# Allegro board S071AA-0413-20260427_Power.brd (continued)
## Footprints (pads in the part's own frame, mm; a bottom-side part is the same pattern mirrored in y, then rotated) (continued)
PG_VG93K_F_G8D228
  round 1.778 hole 0.711: 01(20.32,1.27) 02(17.78,-1.27) 03(15.24,1.27) 04(12.7,-1.27) 05(10.16,1.27) 06(7.62,-1.27) 07(5.08,1.27) 08(2.54,-1.27) 09(0,1.27) 10(-2.54,-1.27) 11(-5.08,1.27) 12(-7.62,-1.27) 13(-10.16,1.27) 14(-12.7,-1.27) 15(-15.24,1.27) 16(-17.78,-1.27) 17(-20.32,1.27)
  rect 1.778x1.778 hole 0.711: A1(20.32,3.81) A2(17.78,1.27) A3(15.24,3.81) A4(12.7,1.27) A5(10.16,3.81) A6(7.62,1.27) A7(5.08,3.81) A8(2.54,1.27) A9(0,3.81) A10(-2.54,1.27) A11(-5.08,3.81) A12(-7.62,1.27) A13(-10.16,3.81) A14(-12.7,1.27) A15(-15.24,3.81) A16(-17.78,1.27) A17(-20.32,3.81) B1(20.32,-1.27) B2(17.78,-3.81) B3(15.24,-1.27) B4(12.7,-3.81) B5(10.16,-1.27) B6(7.62,-3.81) B7(5.08,-1.27) B8(2.54,-3.81) B9(0,-1.27) B10(-2.54,-3.81) B11(-5.08,-1.27) B12(-7.62,-3.81) B13(-10.16,-1.27) B14(-12.7,-3.81) B15(-15.24,-1.27) B16(-17.78,-3.81) B17(-20.32,-1.27)
PG_VG93K_F_G8D231
  round 1.778 hole 0.711: 01(20.32,1.27) 02(17.78,-1.27) 03(15.24,1.27) 04(12.7,-1.27) 05(10.16,1.27) 06(7.62,-1.27) 07(5.08,1.27) 08(2.54,-1.27) 09(0,1.27) 10(-2.54,-1.27) 11(-5.08,1.27) 12(-7.62,-1.27) 13(-10.16,1.27) 14(-12.7,-1.27) 15(-15.24,1.27) 16(-17.78,-1.27) 17(-20.32,1.27)
  rect 1.778x1.778 hole 0.711: A1(20.32,3.81) A2(17.78,1.27) A3(15.24,3.81) A4(12.7,1.27) A5(10.16,3.81) A6(7.62,1.27) A7(5.08,3.81) A8(2.54,1.27) A9(0,3.81) A10(-2.54,1.27) A11(-5.08,3.81) A12(-7.62,1.27) A13(-10.16,3.81) A14(-12.7,1.27) A15(-15.24,3.81) A16(-17.78,1.27) A17(-20.32,3.81) B1(20.32,-1.27) B2(17.78,-3.81) B3(15.24,-1.27) B4(12.7,-3.81) B5(10.16,-1.27) B6(7.62,-3.81) B7(5.08,-1.27) B8(2.54,-3.81) B9(0,-1.27) B10(-2.54,-3.81) B11(-5.08,-1.27) B12(-7.62,-3.81) B13(-10.16,-1.27) B14(-12.7,-3.81) B15(-15.24,-1.27) B16(-17.78,-3.81) B17(-20.32,-1.27)
PG_VG93K_F_G8D232
  round 1.778 hole 0.711: 01(20.32,1.27) 02(17.78,-1.27) 03(15.24,1.27) 04(12.7,-1.27) 05(10.16,1.27) 06(7.62,-1.27) 07(5.08,1.27) 08(2.54,-1.27) 09(0,1.27) 10(-2.54,-1.27) 11(-5.08,1.27) 12(-7.62,-1.27) 13(-10.16,1.27) 14(-12.7,-1.27) 15(-15.24,1.27) 16(-17.78,-1.27) 17(-20.32,1.27)
  rect 1.778x1.778 hole 0.711: A1(20.32,3.81) A2(17.78,1.27) A3(15.24,3.81) A4(12.7,1.27) A5(10.16,3.81) A6(7.62,1.27) A7(5.08,3.81) A8(2.54,1.27) A9(0,3.81) A10(-2.54,1.27) A11(-5.08,3.81) A12(-7.62,1.27) A13(-10.16,3.81) A14(-12.7,1.27) A15(-15.24,3.81) A16(-17.78,1.27) A17(-20.32,3.81) B1(20.32,-1.27) B2(17.78,-3.81) B3(15.24,-1.27) B4(12.7,-3.81) B5(10.16,-1.27) B6(7.62,-3.81) B7(5.08,-1.27) B8(2.54,-3.81) B9(0,-1.27) B10(-2.54,-3.81) B11(-5.08,-1.27) B12(-7.62,-3.81) B13(-10.16,-1.27) B14(-12.7,-3.81) B15(-15.24,-1.27) B16(-17.78,-3.81) B17(-20.32,-1.27)
PG_VG93K_F_G8D427
  round 1.778 hole 0.711: 01(20.32,1.27) 02(17.78,-1.27) 03(15.24,1.27) 04(12.7,-1.27) 05(10.16,1.27) 06(7.62,-1.27) 07(5.08,1.27) 08(2.54,-1.27) 09(0,1.27) 10(-2.54,-1.27) 11(-5.08,1.27) 12(-7.62,-1.27) 13(-10.16,1.27) 14(-12.7,-1.27) 15(-15.24,1.27) 16(-17.78,-1.27) 17(-20.32,1.27)
  rect 1.778x1.778 hole 0.711: A1(20.32,3.81) A2(17.78,1.27) A3(15.24,3.81) A4(12.7,1.27) A5(10.16,3.81) A6(7.62,1.27) A7(5.08,3.81) A8(2.54,1.27) A9(0,3.81) A10(-2.54,1.27) A11(-5.08,3.81) A12(-7.62,1.27) A13(-10.16,3.81) A14(-12.7,1.27) A15(-15.24,3.81) A16(-17.78,1.27) A17(-20.32,3.81) B1(20.32,-1.27) B2(17.78,-3.81) B3(15.24,-1.27) B4(12.7,-3.81) B5(10.16,-1.27) B6(7.62,-3.81) B7(5.08,-1.27) B8(2.54,-3.81) B9(0,-1.27) B10(-2.54,-3.81) B11(-5.08,-1.27) B12(-7.62,-3.81) B13(-10.16,-1.27) B14(-12.7,-3.81) B15(-15.24,-1.27) B16(-17.78,-3.81) B17(-20.32,-1.27)
PG_VG93K_F_G8D428
  round 1.778 hole 0.711: 01(20.32,1.27) 02(17.78,-1.27) 03(15.24,1.27) 04(12.7,-1.27) 05(10.16,1.27) 06(7.62,-1.27) 07(5.08,1.27) 08(2.54,-1.27) 09(0,1.27) 10(-2.54,-1.27) 11(-5.08,1.27) 12(-7.62,-1.27) 13(-10.16,1.27) 14(-12.7,-1.27) 15(-15.24,1.27) 16(-17.78,-1.27) 17(-20.32,1.27)
  rect 1.778x1.778 hole 0.711: A1(20.32,3.81) A2(17.78,1.27) A3(15.24,3.81) A4(12.7,1.27) A5(10.16,3.81) A6(7.62,1.27) A7(5.08,3.81) A8(2.54,1.27) A9(0,3.81) A10(-2.54,1.27) A11(-5.08,3.81) A12(-7.62,1.27) A13(-10.16,3.81) A14(-12.7,1.27) A15(-15.24,3.81) A16(-17.78,1.27) A17(-20.32,3.81) B1(20.32,-1.27) B2(17.78,-3.81) B3(15.24,-1.27) B4(12.7,-3.81) B5(10.16,-1.27) B6(7.62,-3.81) B7(5.08,-1.27) B8(2.54,-3.81) B9(0,-1.27) B10(-2.54,-3.81) B11(-5.08,-1.27) B12(-7.62,-3.81) B13(-10.16,-1.27) B14(-12.7,-3.81) B15(-15.24,-1.27) B16(-17.78,-3.81) B17(-20.32,-1.27)
PG_VG93K_F_G8D431
  round 1.778 hole 0.711: 01(20.32,1.27) 02(17.78,-1.27) 03(15.24,1.27) 04(12.7,-1.27) 05(10.16,1.27) 06(7.62,-1.27) 07(5.08,1.27) 08(2.54,-1.27) 09(0,1.27) 10(-2.54,-1.27) 11(-5.08,1.27) 12(-7.62,-1.27) 13(-10.16,1.27) 14(-12.7,-1.27) 15(-15.24,1.27) 16(-17.78,-1.27) 17(-20.32,1.27)
  rect 1.778x1.778 hole 0.711: A1(20.32,3.81) A2(17.78,1.27) A3(15.24,3.81) A4(12.7,1.27) A5(10.16,3.81) A6(7.62,1.27) A7(5.08,3.81) A8(2.54,1.27) A9(0,3.81) A10(-2.54,1.27) A11(-5.08,3.81) A12(-7.62,1.27) A13(-10.16,3.81) A14(-12.7,1.27) A15(-15.24,3.81) A16(-17.78,1.27) A17(-20.32,3.81) B1(20.32,-1.27) B2(17.78,-3.81) B3(15.24,-1.27) B4(12.7,-3.81) B5(10.16,-1.27) B6(7.62,-3.81) B7(5.08,-1.27) B8(2.54,-3.81) B9(0,-1.27) B10(-2.54,-3.81) B11(-5.08,-1.27) B12(-7.62,-3.81) B13(-10.16,-1.27) B14(-12.7,-3.81) B15(-15.24,-1.27) B16(-17.78,-3.81) B17(-20.32,-1.27)
PG_VG93K_F_G8D432
  round 1.778 hole 0.711: 01(20.32,1.27) 02(17.78,-1.27) 03(15.24,1.27) 04(12.7,-1.27) 05(10.16,1.27) 06(7.62,-1.27) 07(5.08,1.27) 08(2.54,-1.27) 09(0,1.27) 10(-2.54,-1.27) 11(-5.08,1.27) 12(-7.62,-1.27) 13(-10.16,1.27) 14(-12.7,-1.27) 15(-15.24,1.27) 16(-17.78,-1.27) 17(-20.32,1.27)
  rect 1.778x1.778 hole 0.711: A1(20.32,3.81) A2(17.78,1.27) A3(15.24,3.81) A4(12.7,1.27) A5(10.16,3.81) A6(7.62,1.27) A7(5.08,3.81) A8(2.54,1.27) A9(0,3.81) A10(-2.54,1.27) A11(-5.08,3.81) A12(-7.62,1.27) A13(-10.16,3.81) A14(-12.7,1.27) A15(-15.24,3.81) A16(-17.78,1.27) A17(-20.32,3.81) B1(20.32,-1.27) B2(17.78,-3.81) B3(15.24,-1.27) B4(12.7,-3.81) B5(10.16,-1.27) B6(7.62,-3.81) B7(5.08,-1.27) B8(2.54,-3.81) B9(0,-1.27) B10(-2.54,-3.81) B11(-5.08,-1.27) B12(-7.62,-3.81) B13(-10.16,-1.27) B14(-12.7,-3.81) B15(-15.24,-1.27) B16(-17.78,-3.81) B17(-20.32,-1.27)
PG_VG93K_F_G8DPS8
  round 1.778 hole 0.711: A01(20.32,2.54) A02(17.78,2.54) A03(15.24,2.54) A04(12.7,2.54) A05(10.16,2.54) A06(7.62,2.54) A07(5.08,2.54) A08(2.54,2.54) A09(0,2.54) A10(-2.54,2.54) A11(-5.08,2.54) A12(-7.62,2.54) A13(-10.16,2.54) A14(-12.7,2.54) A15(-15.24,2.54) A16(-17.78,2.54) A17(-20.32,2.54) B01(20.32,0) B02(17.78,0) B03(15.24,0) B04(12.7,0) B05(10.16,0) B06(7.62,0) B07(5.08,0) B08(2.54,0) B09(0,0) B10(-2.54,0) B11(-5.08,0) B12(-7.62,0) B13(-10.16,0) B14(-12.7,0) B15(-15.24,0) B16(-17.78,0) B17(-20.32,0) C01(20.32,-2.54) C02(17.78,-2.54) C03(15.24,-2.54) C04(12.7,-2.54) C05(10.16,-2.54) C06(7.62,-2.54) C07(5.08,-2.54) C08(2.54,-2.54) C09(0,-2.54) C10(-2.54,-2.54) C11(-5.08,-2.54) C12(-7.62,-2.54) C13(-10.16,-2.54) C14(-12.7,-2.54) C15(-15.24,-2.54) C16(-17.78,-2.54) C17(-20.32,-2.54)
PG_VG93K_F_G8UTI4
  round 1.778 hole 0.711: A01(20.32,1.27) A02(17.78,1.27) A03(15.24,1.27) A04(12.7,1.27) A05(10.16,1.27) A06(7.62,1.27) A07(5.08,1.27) A08(2.54,1.27) A09(0,1.27) A10(-2.54,1.27) A11(-5.08,1.27) A12(-7.62,1.27) A13(-10.16,1.27) A14(-12.7,1.27) A15(-15.24,1.27) A16(-17.78,1.27) A17(-20.32,1.27) B01(20.32,-1.27) B02(17.78,-1.27) B03(15.24,-1.27) B04(12.7,-1.27) B05(10.16,-1.27) B06(7.62,-1.27) B07(5.08,-1.27) B08(2.54,-1.27) B09(0,-1.27) B10(-2.54,-1.27) B11(-5.08,-1.27) B12(-7.62,-1.27) B13(-10.16,-1.27) B14(-12.7,-1.27) B15(-15.24,-1.27) B16(-17.78,-1.27) B17(-20.32,-1.27)
PG_VG93K_F_HALFOUTLINE_FY
  round 0.508 hole 3.2 unplated: (-140.276,198.12) (-140.276,102.006) (-140.276,0) (-140.276,-102.006) (-140.276,-198.12) (-73.66,157.48) (-73.66,-157.48) (7.044,198.12) (7.044,102.006) (7.044,-102.006) (7.044,-198.12) (73.66,157.48) (73.66,-157.48) (140.304,198.12) (140.304,102.006) (140.304,0) (140.304,-102.006) (140.304,-198.12)
  round 6.096 hole 4.293: NUT19(70,70) NUT20(-70,70) NUT21(-70,-70) NUT22(70,-70)
PG_VG93K_F_PS1600SD_G1_ND
  round 1.778 smd: 01(-20.32,-1.27) 02(-17.78,1.27) 03(-15.24,-1.27) 04(-12.7,1.27) 05(-10.16,-1.27) 06(-7.62,1.27) 07(-5.08,-1.27) 08(-2.54,1.27) 09(0,-1.27) 10(2.54,1.27) 11(5.08,-1.27) 12(7.62,1.27) 13(10.16,-1.27) 14(12.7,1.27) 15(15.24,-1.27) 16(17.78,1.27) 17(20.32,-1.27)
  rect 1.778x1.778 smd: A1(-20.32,-3.81) A2(-17.78,-1.27) A3(-15.24,-3.81) A4(-12.7,-1.27) A5(-10.16,-3.81) A6(-7.62,-1.27) A7(-5.08,-3.81) A8(-2.54,-1.27) A9(0,-3.81) A10(2.54,-1.27) A11(5.08,-3.81) A12(7.62,-1.27) A13(10.16,-3.81) A14(12.7,-1.27) A15(15.24,-3.81) A16(17.78,-1.27) A17(20.32,-3.81) B1(-20.32,1.27) B2(-17.78,3.81) B3(-15.24,1.27) B4(-12.7,3.81) B5(-10.16,1.27) B6(-7.62,3.81) B7(-5.08,1.27) B8(-2.54,3.81) B9(0,1.27) B10(2.54,3.81) B11(5.08,1.27) B12(7.62,3.81) B13(10.16,1.27) B14(12.7,3.81) B15(15.24,1.27) B16(17.78,3.81) B17(20.32,1.27)
PG_VG93K_F_PS1600SD_G2_ND
  round 1.778 smd: 01(20.32,1.27) 02(17.78,-1.27) 03(15.24,1.27) 04(12.7,-1.27) 05(10.16,1.27) 06(7.62,-1.27) 07(5.08,1.27) 08(2.54,-1.27) 09(0,1.27) 10(-2.54,-1.27) 11(-5.08,1.27) 12(-7.62,-1.27) 13(-10.16,1.27) 14(-12.7,-1.27) 15(-15.24,1.27) 16(-17.78,-1.27) 17(-20.32,1.27)
  rect 1.778x1.778 smd: A1(20.32,3.81) A2(17.78,1.27) A3(15.24,3.81) A4(12.7,1.27) A5(10.16,3.81) A6(7.62,1.27) A7(5.08,3.81) A8(2.54,1.27) A9(0,3.81) A10(-2.54,1.27) A11(-5.08,3.81) A12(-7.62,1.27) A13(-10.16,3.81) A14(-12.7,1.27) A15(-15.24,3.81) A16(-17.78,1.27) A17(-20.32,3.81) B1(20.32,-1.27) B2(17.78,-3.81) B3(15.24,-1.27) B4(12.7,-3.81) B5(10.16,-1.27) B6(7.62,-3.81) B7(5.08,-1.27) B8(2.54,-3.81) B9(0,-1.27) B10(-2.54,-3.81) B11(-5.08,-1.27) B12(-7.62,-3.81) B13(-10.16,-1.27) B14(-12.7,-3.81) B15(-15.24,-1.27) B16(-17.78,-3.81) B17(-20.32,-1.27)
PG_VG93K_F_PS1600SD_G3_ND
  round 1.778 smd: 01(-20.32,-1.27) 02(-17.78,1.27) 03(-15.24,-1.27) 04(-12.7,1.27) 05(-10.16,-1.27) 06(-7.62,1.27) 07(-5.08,-1.27) 08(-2.54,1.27) 09(0,-1.27) 10(2.54,1.27) 11(5.08,-1.27) 12(7.62,1.27) 13(10.16,-1.27) 14(12.7,1.27) 15(15.24,-1.27) 16(17.78,1.27) 17(20.32,-1.27)
  rect 1.778x1.778 smd: A1(-20.32,-3.81) A2(-17.78,-1.27) A3(-15.24,-3.81) A4(-12.7,-1.27) A5(-10.16,-3.81) A6(-7.62,-1.27) A7(-5.08,-3.81) A8(-2.54,-1.27) A9(0,-3.81) A10(2.54,-1.27) A11(5.08,-3.81) A12(7.62,-1.27) A13(10.16,-3.81) A14(12.7,-1.27) A15(15.24,-3.81) A16(17.78,-1.27) A17(20.32,-3.81) B1(-20.32,1.27) B2(-17.78,3.81) B3(-15.24,1.27) B4(-12.7,3.81) B5(-10.16,1.27) B6(-7.62,3.81) B7(-5.08,1.27) B8(-2.54,3.81) B9(0,1.27) B10(2.54,3.81) B11(5.08,1.27) B12(7.62,3.81) B13(10.16,1.27) B14(12.7,3.81) B15(15.24,1.27) B16(17.78,3.81) B17(20.32,1.27)
PG_VG93K_PF_DPS32_G8D225
  rect 1.778x1.778 hole 0.711: A1(20.32,3.81) A3(15.24,3.81) A5(10.16,3.81) A7(5.08,3.81) A9(0,3.81) A11(-5.08,3.81) A13(-10.16,3.81) A15(-15.24,3.81) B2(17.78,1.27) B4(12.7,1.27) B6(7.62,1.27) B8(2.54,1.27) B10(-2.54,1.27) B12(-7.62,1.27) B14(-12.7,1.27) B16(-17.78,1.27) C1(20.32,-1.27) C3(15.24,-1.27) C5(10.16,-1.27) C7(5.08,-1.27) C9(0,-1.27) C11(-5.08,-1.27) C13(-10.16,-1.27) C15(-15.24,-1.27) D2(17.78,-3.81) D4(12.7,-3.81) D6(7.62,-3.81) D8(2.54,-3.81) D10(-2.54,-3.81) D12(-7.62,-3.81) D14(-12.7,-3.81) D16(-17.78,-3.81)
  round 1.524 hole 0.711: A2(17.78,3.81) A4(12.7,3.81) A6(7.62,3.81) A8(2.54,3.81) A10(-2.54,3.81) A12(-7.62,3.81) A14(-12.7,3.81) A16(-17.78,3.81) A17(-20.32,3.81) B1(20.32,1.27) B3(15.24,1.27) B5(10.16,1.27) B7(5.08,1.27) B9(0,1.27) B11(-5.08,1.27) B13(-10.16,1.27) B15(-15.24,1.27) B17(-20.32,1.27) C2(17.78,-1.27) C4(12.7,-1.27) C6(7.62,-1.27) C8(2.54,-1.27) C10(-2.54,-1.27) C12(-7.62,-1.27) C14(-12.7,-1.27) C16(-17.78,-1.27) C17(-20.32,-1.27) D1(20.32,-3.81) D3(15.24,-3.81) D5(10.16,-3.81) D7(5.08,-3.81) D9(0,-3.81) D11(-5.08,-3.81) D13(-10.16,-3.81) D15(-15.24,-3.81) D17(-20.32,-3.81)
PG_VG93K_PF_DPS32_G8D226
  rect 1.778x1.778 hole 0.711: A1(20.32,3.81) A3(15.24,3.81) A5(10.16,3.81) A7(5.08,3.81) A9(0,3.81) A11(-5.08,3.81) A13(-10.16,3.81) A15(-15.24,3.81) B2(17.78,1.27) B4(12.7,1.27) B6(7.62,1.27) B8(2.54,1.27) B10(-2.54,1.27) B12(-7.62,1.27) B14(-12.7,1.27) B16(-17.78,1.27) C1(20.32,-1.27) C3(15.24,-1.27) C5(10.16,-1.27) C7(5.08,-1.27) C9(0,-1.27) C11(-5.08,-1.27) C13(-10.16,-1.27) C15(-15.24,-1.27) D2(17.78,-3.81) D4(12.7,-3.81) D6(7.62,-3.81) D8(2.54,-3.81) D10(-2.54,-3.81) D12(-7.62,-3.81) D14(-12.7,-3.81) D16(-17.78,-3.81)
  round 1.524 hole 0.711: A2(17.78,3.81) A4(12.7,3.81) A6(7.62,3.81) A8(2.54,3.81) A10(-2.54,3.81) A12(-7.62,3.81) A14(-12.7,3.81) A16(-17.78,3.81) A17(-20.32,3.81) B1(20.32,1.27) B3(15.24,1.27) B5(10.16,1.27) B7(5.08,1.27) B9(0,1.27) B11(-5.08,1.27) B13(-10.16,1.27) B15(-15.24,1.27) B17(-20.32,1.27) C2(17.78,-1.27) C4(12.7,-1.27) C6(7.62,-1.27) C8(2.54,-1.27) C10(-2.54,-1.27) C12(-7.62,-1.27) C14(-12.7,-1.27) C16(-17.78,-1.27) C17(-20.32,-1.27) D1(20.32,-3.81) D3(15.24,-3.81) D5(10.16,-3.81) D7(5.08,-3.81) D9(0,-3.81) D11(-5.08,-3.81) D13(-10.16,-3.81) D15(-15.24,-3.81) D17(-20.32,-3.81)
PG_VG93K_PF_DPS32_G8D229
  rect 1.778x1.778 hole 0.711: A1(20.32,3.81) A3(15.24,3.81) A5(10.16,3.81) A7(5.08,3.81) A9(0,3.81) A11(-5.08,3.81) A13(-10.16,3.81) A15(-15.24,3.81) B2(17.78,1.27) B4(12.7,1.27) B6(7.62,1.27) B8(2.54,1.27) B10(-2.54,1.27) B12(-7.62,1.27) B14(-12.7,1.27) B16(-17.78,1.27) C1(20.32,-1.27) C3(15.24,-1.27) C5(10.16,-1.27) C7(5.08,-1.27) C9(0,-1.27) C11(-5.08,-1.27) C13(-10.16,-1.27) C15(-15.24,-1.27) D2(17.78,-3.81) D4(12.7,-3.81) D6(7.62,-3.81) D8(2.54,-3.81) D10(-2.54,-3.81) D12(-7.62,-3.81) D14(-12.7,-3.81) D16(-17.78,-3.81)
  round 1.524 hole 0.711: A2(17.78,3.81) A4(12.7,3.81) A6(7.62,3.81) A8(2.54,3.81) A10(-2.54,3.81) A12(-7.62,3.81) A14(-12.7,3.81) A16(-17.78,3.81) A17(-20.32,3.81) B1(20.32,1.27) B3(15.24,1.27) B5(10.16,1.27) B7(5.08,1.27) B9(0,1.27) B11(-5.08,1.27) B13(-10.16,1.27) B15(-15.24,1.27) B17(-20.32,1.27) C2(17.78,-1.27) C4(12.7,-1.27) C6(7.62,-1.27) C8(2.54,-1.27) C10(-2.54,-1.27) C12(-7.62,-1.27) C14(-12.7,-1.27) C16(-17.78,-1.27) C17(-20.32,-1.27) D1(20.32,-3.81) D3(15.24,-3.81) D5(10.16,-3.81) D7(5.08,-3.81) D9(0,-3.81) D11(-5.08,-3.81) D13(-10.16,-3.81) D15(-15.24,-3.81) D17(-20.32,-3.81)
PG_VG93K_PF_DPS32_G8D425
  rect 1.778x1.778 hole 0.711: A1(20.32,3.81) A3(15.24,3.81) A5(10.16,3.81) A7(5.08,3.81) A9(0,3.81) A11(-5.08,3.81) A13(-10.16,3.81) A15(-15.24,3.81) B2(17.78,1.27) B4(12.7,1.27) B6(7.62,1.27) B8(2.54,1.27) B10(-2.54,1.27) B12(-7.62,1.27) B14(-12.7,1.27) B16(-17.78,1.27) C1(20.32,-1.27) C3(15.24,-1.27) C5(10.16,-1.27) C7(5.08,-1.27) C9(0,-1.27) C11(-5.08,-1.27) C13(-10.16,-1.27) C15(-15.24,-1.27) D2(17.78,-3.81) D4(12.7,-3.81) D6(7.62,-3.81) D8(2.54,-3.81) D10(-2.54,-3.81) D12(-7.62,-3.81) D14(-12.7,-3.81) D16(-17.78,-3.81)
  round 1.524 hole 0.711: A2(17.78,3.81) A4(12.7,3.81) A6(7.62,3.81) A8(2.54,3.81) A10(-2.54,3.81) A12(-7.62,3.81) A14(-12.7,3.81) A16(-17.78,3.81) A17(-20.32,3.81) B1(20.32,1.27) B3(15.24,1.27) B5(10.16,1.27) B7(5.08,1.27) B9(0,1.27) B11(-5.08,1.27) B13(-10.16,1.27) B15(-15.24,1.27) B17(-20.32,1.27) C2(17.78,-1.27) C4(12.7,-1.27) C6(7.62,-1.27) C8(2.54,-1.27) C10(-2.54,-1.27) C12(-7.62,-1.27) C14(-12.7,-1.27) C16(-17.78,-1.27) C17(-20.32,-1.27) D1(20.32,-3.81) D3(15.24,-3.81) D5(10.16,-3.81) D7(5.08,-3.81) D9(0,-3.81) D11(-5.08,-3.81) D13(-10.16,-3.81) D15(-15.24,-3.81) D17(-20.32,-3.81)
PG_VG93K_PF_DPS32_G8D426
  rect 1.778x1.778 hole 0.711: A1(20.32,3.81) A3(15.24,3.81) A5(10.16,3.81) A7(5.08,3.81) A9(0,3.81) A11(-5.08,3.81) A13(-10.16,3.81) A15(-15.24,3.81) B2(17.78,1.27) B4(12.7,1.27) B6(7.62,1.27) B8(2.54,1.27) B10(-2.54,1.27) B12(-7.62,1.27) B14(-12.7,1.27) B16(-17.78,1.27) C1(20.32,-1.27) C3(15.24,-1.27) C5(10.16,-1.27) C7(5.08,-1.27) C9(0,-1.27) C11(-5.08,-1.27) C13(-10.16,-1.27) C15(-15.24,-1.27) D2(17.78,-3.81) D4(12.7,-3.81) D6(7.62,-3.81) D8(2.54,-3.81) D10(-2.54,-3.81) D12(-7.62,-3.81) D14(-12.7,-3.81) D16(-17.78,-3.81)
  round 1.524 hole 0.711: A2(17.78,3.81) A4(12.7,3.81) A6(7.62,3.81) A8(2.54,3.81) A10(-2.54,3.81) A12(-7.62,3.81) A14(-12.7,3.81) A16(-17.78,3.81) A17(-20.32,3.81) B1(20.32,1.27) B3(15.24,1.27) B5(10.16,1.27) B7(5.08,1.27) B9(0,1.27) B11(-5.08,1.27) B13(-10.16,1.27) B15(-15.24,1.27) B17(-20.32,1.27) C2(17.78,-1.27) C4(12.7,-1.27) C6(7.62,-1.27) C8(2.54,-1.27) C10(-2.54,-1.27) C12(-7.62,-1.27) C14(-12.7,-1.27) C16(-17.78,-1.27) C17(-20.32,-1.27) D1(20.32,-3.81) D3(15.24,-3.81) D5(10.16,-3.81) D7(5.08,-3.81) D9(0,-3.81) D11(-5.08,-3.81) D13(-10.16,-3.81) D15(-15.24,-3.81) D17(-20.32,-3.81)
PG_VG93K_PF_DPS32_G8D429
  rect 1.778x1.778 hole 0.711: A1(20.32,3.81) A3(15.24,3.81) A5(10.16,3.81) A7(5.08,3.81) A9(0,3.81) A11(-5.08,3.81) A13(-10.16,3.81) A15(-15.24,3.81) B2(17.78,1.27) B4(12.7,1.27) B6(7.62,1.27) B8(2.54,1.27) B10(-2.54,1.27) B12(-7.62,1.27) B14(-12.7,1.27) B16(-17.78,1.27) C1(20.32,-1.27) C3(15.24,-1.27) C5(10.16,-1.27) C7(5.08,-1.27) C9(0,-1.27) C11(-5.08,-1.27) C13(-10.16,-1.27) C15(-15.24,-1.27) D2(17.78,-3.81) D4(12.7,-3.81) D6(7.62,-3.81) D8(2.54,-3.81) D10(-2.54,-3.81) D12(-7.62,-3.81) D14(-12.7,-3.81) D16(-17.78,-3.81)
  round 1.524 hole 0.711: A2(17.78,3.81) A4(12.7,3.81) A6(7.62,3.81) A8(2.54,3.81) A10(-2.54,3.81) A12(-7.62,3.81) A14(-12.7,3.81) A16(-17.78,3.81) A17(-20.32,3.81) B1(20.32,1.27) B3(15.24,1.27) B5(10.16,1.27) B7(5.08,1.27) B9(0,1.27) B11(-5.08,1.27) B13(-10.16,1.27) B15(-15.24,1.27) B17(-20.32,1.27) C2(17.78,-1.27) C4(12.7,-1.27) C6(7.62,-1.27) C8(2.54,-1.27) C10(-2.54,-1.27) C12(-7.62,-1.27) C14(-12.7,-1.27) C16(-17.78,-1.27) C17(-20.32,-1.27) D1(20.32,-3.81) D3(15.24,-3.81) D5(10.16,-3.81) D7(5.08,-3.81) D9(0,-3.81) D11(-5.08,-3.81) D13(-10.16,-3.81) D15(-15.24,-3.81) D17(-20.32,-3.81)
PG_VG93K_PF_UHC4_G8D230_A34_V2
  round 1.524 hole 0.711: A1(20.325,2.625) A2(18.575,2.625) A3(16.825,2.625) A4(15.075,2.625) B1(20.325,0.875) B2(18.575,0.875) B3(16.825,0.875) B4(15.075,0.875) C1(20.325,-0.875) C2(18.575,-0.875) C3(16.825,-0.875) C4(15.075,-0.875) D1(20.325,-2.625) D2(18.575,-2.625) D3(16.825,-2.625) D4(15.075,-2.625)
  rect 5.6x8.3 smd: G3(10.85,0) G4(-18.95,0)
  round 1.27 hole 0.711: G3_1(13.15,3.5) G3_2(10.85,3.5) G3_3(8.55,3.5) G3_4(12,1.75) G3_5(9.7,1.75) G3_6(13.15,0) G3_7(10.85,0) G3_8(8.55,0) G3_9(12,-1.75) G3_10(9.7,-1.75) G3_11(13.15,-3.5) G3_12(10.85,-3.5) G3_13(8.55,-3.5) G4_1(-16.65,3.5) G4_2(-18.95,3.5) G4_3(-21.25,3.5) G4_4(-17.8,1.75) G4_5(-20.1,1.75) G4_6(-16.65,0) G4_7(-18.95,0) G4_8(-21.25,0) G4_9(-17.8,-1.75) G4_10(-20.1,-1.75) G4_11(-16.65,-3.5) G4_12(-18.95,-3.5) G4_13(-21.25,-3.5) P3_1(6.55,3.5) P3_2(3.35,3.5) P3_3(0.15,3.5) P3_4(-3.05,3.5) P3_5(6.55,0) P3_6(3.35,0) P3_7(0.15,0) P3_8(-3.05,0) P3_9(6.55,-3.5) P3_10(3.35,-3.5) P3_11(0.15,-3.5) P3_12(-3.05,-3.5) P3_13(4.95,1.75) P3_14(1.75,1.75) P3_15(-1.45,1.75) P3_16(4.95,-1.75) P3_17(1.75,-1.75) P3_18(-1.45,-1.75) P4_1(-5.05,3.5) P4_2(-8.25,3.5) P4_3(-11.45,3.5) P4_4(-14.65,3.5) P4_5(-5.05,0) P4_6(-8.25,0) P4_7(-11.45,0) P4_8(-14.65,0) P4_9(-5.05,-3.5) P4_10(-8.25,-3.5) P4_11(-11.45,-3.5) P4_12(-14.65,-3.5) P4_13(-6.65,1.75) P4_14(-9.85,1.75) P4_15(-13.05,1.75) P4_16(-6.65,-1.75) P4_17(-9.85,-1.75) P4_18(-13.05,-1.75)
  rect 10.6x8.3 smd: P3(1.75,0) P4(-9.85,0)
PG_VG93K_PF_UHC4_G8D430_B12_V2
  round 1.524 hole 0.711: A1(20.325,2.625) A2(18.575,2.625) A3(16.825,2.625) A4(15.075,2.625) B1(20.325,0.875) B2(18.575,0.875) B3(16.825,0.875) B4(15.075,0.875) C1(20.325,-0.875) C2(18.575,-0.875) C3(16.825,-0.875) C4(15.075,-0.875) D1(20.325,-2.625) D2(18.575,-2.625) D3(16.825,-2.625) D4(15.075,-2.625)
  rect 5.6x8.3 smd: G1(-18.95,0) G2(10.85,0)
  round 1.27 hole 0.711: G1_1(-16.65,3.5) G1_2(-18.95,3.5) G1_3(-21.25,3.5) G1_4(-17.8,1.75) G1_5(-20.1,1.75) G1_6(-16.65,0) G1_7(-18.95,0) G1_8(-21.25,0) G1_9(-17.8,-1.75) G1_10(-20.1,-1.75) G1_11(-16.65,-3.5) G1_12(-18.95,-3.5) G1_13(-21.25,-3.5) G2_1(13.15,3.5) G2_2(10.85,3.5) G2_3(8.55,3.5) G2_4(12,1.75) G2_5(9.7,1.75) G2_6(13.15,0) G2_7(10.85,0) G2_8(8.55,0) G2_9(12,-1.75) G2_10(9.7,-1.75) G2_11(13.15,-3.5) G2_12(10.85,-3.5) G2_13(8.55,-3.5) P1_1(-5.05,3.5) P1_2(-8.25,3.5) P1_3(-11.45,3.5) P1_4(-14.65,3.5) P1_5(-5.05,0) P1_6(-8.25,0) P1_7(-11.45,0) P1_8(-14.65,0) P1_9(-5.05,-3.5) P1_10(-8.25,-3.5) P1_11(-11.45,-3.5) P1_12(-14.65,-3.5) P1_13(-6.65,1.75) P1_14(-9.85,1.75) P1_15(-13.05,1.75) P1_16(-6.65,-1.75) P1_17(-9.85,-1.75) P1_18(-13.05,-1.75) P2_1(6.55,3.5) P2_2(3.35,3.5) P2_3(0.15,3.5) P2_4(-3.05,3.5) P2_5(6.55,0) P2_6(3.35,0) P2_7(0.15,0) P2_8(-3.05,0) P2_9(6.55,-3.5) P2_10(3.35,-3.5) P2_11(0.15,-3.5) P2_12(-3.05,-3.5) P2_13(4.95,1.75) P2_14(1.75,1.75) P2_15(-1.45,1.75) P2_16(4.95,-1.75) P2_17(1.75,-1.75) P2_18(-1.45,-1.75)
  rect 10.6x8.3 smd: P1(-9.85,0) P2(1.75,0)
R0402
  custom 0.15x0.15 smd: 1(-0.5,0) 2(0.5,0)
R0402_UNBGA_V2
  rect 0.508x0.508 smd: 1(-0.425,0) 2(0.425,0)
R0603
  rect 0.889x0.889 smd: 1(-0.85,0) 2(0.85,0)
R0805
  rect 1.118x1.372 smd: 1(-0.95,0) 2(0.95,0)
R1206
  rect 1.321x1.829 smd: 1(-1.25,0) 2(1.25,0)
RL_712D_5V_V2
  round 1.397 hole 1.041: 1(1.493,-2.055) 2(2.416,-0.785) 3(2.416,0.785) 4(1.493,2.055) 6(-1.493,2.055) 7(-2.416,0.785) 8(-2.416,-0.785) 9(-1.493,-2.055)
RL_COTO2911_5V_RLPIN
  rect 1.88x1.88 hole 1.372: 1(17.78,0)
  round 0.051 smd: 2(15.24,0)
  round 1.88 hole 1.372: 3(2.54,0) 4(0,0) 5(0,-2.54) 6(2.54,-2.54) 7(15.24,-2.54) 8(17.78,-2.54)
RL_NECUA2_5V_V3
  rect 1.626x1.626 hole 1.041: 1(3.6,1.6)
  round 1.626 hole 1.041: 2(0.4,1.6) 3(-1.8,1.6) 4(-4,1.6) 5(-4,-1.6) 6(-1.8,-1.6) 7(0.4,-1.6) 8(3.6,-1.6)
SK_BGA17X17_336P_0P8MM_S071AA
  round 0.508 hole 1.61 unplated: (-12,12) (-12,-12) (12,12) (12,-12)
  round 0.6 smd: A1(-7.6,7.6) A2(-6.8,7.6) A3(-6,7.6) A4(-5.2,7.6) A5(-4.4,7.6) A6(-3.6,7.6) A7(-2.8,7.6) A8(-2,7.6) A9(-1.2,7.6) A10(-0.4,7.6) A11(0.4,7.6) A12(1.2,7.6) A13(2,7.6) A14(2.8,7.6) A15(3.6,7.6) A16(4.4,7.6) A17(5.2,7.6) A18(6,7.6) A19(6.8,7.6) A20(7.6,7.6) B1(-7.6,6.8) B2(-6.8,6.8) B3(-6,6.8) B4(-5.2,6.8) B5(-4.4,6.8) B6(-3.6,6.8) B7(-2.8,6.8) B8(-2,6.8) B9(-1.2,6.8) B10(-0.4,6.8) B11(0.4,6.8) B12(1.2,6.8) B13(2,6.8) B14(2.8,6.8) B15(3.6,6.8) B16(4.4,6.8) B17(5.2,6.8) B18(6,6.8) B19(6.8,6.8) B20(7.6,6.8) C1(-7.6,6) C2(-6.8,6) C3(-6,6) C4(-5.2,6) C5(-4.4,6) C6(-3.6,6) C7(-2.8,6) C8(-2,6) C9(-1.2,6) C10(-0.4,6) C11(0.4,6) C12(1.2,6) C13(2,6) C14(2.8,6) C15(3.6,6) C16(4.4,6) C17(5.2,6) C18(6,6) C19(6.8,6) C20(7.6,6) D1(-7.6,5.2) D2(-6.8,5.2) D3(-6,5.2) D4(-5.2,5.2) D5(-4.4,5.2) D6(-3.6,5.2) D7(-2.8,5.2) D8(-2,5.2) D9(-1.2,5.2) D10(-0.4,5.2) D11(0.4,5.2) D12(1.2,5.2) D13(2,5.2) D14(2.8,5.2) D15(3.6,5.2) D16(4.4,5.2) D17(5.2,5.2) D18(6,5.2) D19(6.8,5.2) D20(7.6,5.2) E1(-7.6,4.4) E2(-6.8,4.4) E3(-6,4.4) E4(-5.2,4.4) E5(-4.4,4.4) E6(-3.6,4.4) E7(-2.8,4.4) E8(-2,4.4) E9(-1.2,4.4) E10(-0.4,4.4) E11(0.4,4.4) E12(1.2,4.4) E13(2,4.4) E14(2.8,4.4) E15(3.6,4.4) E16(4.4,4.4) E17(5.2,4.4) E18(6,4.4) E19(6.8,4.4) E20(7.6,4.4) F1(-7.6,3.6) F2(-6.8,3.6) F3(-6,3.6) F4(-5.2,3.6) F5(-4.4,3.6) F16(4.4,3.6) F17(5.2,3.6) F18(6,3.6) F19(6.8,3.6) F20(7.6,3.6) G1(-7.6,2.8) G2(-6.8,2.8) G3(-6,2.8) G4(-5.2,2.8) G5(-4.4,2.8) G16(4.4,2.8) G17(5.2,2.8) G18(6,2.8) G19(6.8,2.8) G20(7.6,2.8) H1(-7.6,2) H2(-6.8,2) H3(-6,2) H4(-5.2,2) H5(-4.4,2) H8(-2,2) H9(-1.2,2) H10(-0.4,2) H11(0.4,2) H12(1.2,2) H13(2,2) H16(4.4,2) H17(5.2,2) H18(6,2) H19(6.8,2) H20(7.6,2) J1(-7.6,1.2) J2(-6.8,1.2) J3(-6,1.2) J4(-5.2,1.2) J5(-4.4,1.2) J8(-2,1.2) J9(-1.2,1.2) J10(-0.4,1.2) J11(0.4,1.2) J12(1.2,1.2) J13(2,1.2) J16(4.4,1.2) J17(5.2,1.2) J18(6,1.2) J19(6.8,1.2) J20(7.6,1.2) K1(-7.6,0.4) K2(-6.8,0.4) K3(-6,0.4) K4(-5.2,0.4) K5(-4.4,0.4) K8(-2,0.4) K9(-1.2,0.4) K10(-0.4,0.4) K11(0.4,0.4) K12(1.2,0.4) K13(2,0.4) K16(4.4,0.4) K17(5.2,0.4) K18(6,0.4) K19(6.8,0.4) K20(7.6,0.4) L1(-7.6,-0.4) L2(-6.8,-0.4) L3(-6,-0.4) L4(-5.2,-0.4) L5(-4.4,-0.4) L8(-2,-0.4) L9(-1.2,-0.4) L10(-0.4,-0.4) L11(0.4,-0.4) L12(1.2,-0.4) L13(2,-0.4) L16(4.4,-0.4) L17(5.2,-0.4) L18(6,-0.4) L19(6.8,-0.4) L20(7.6,-0.4) M1(-7.6,-1.2) M2(-6.8,-1.2) M3(-6,-1.2) M4(-5.2,-1.2) M5(-4.4,-1.2) M8(-2,-1.2) M9(-1.2,-1.2) M10(-0.4,-1.2) M11(0.4,-1.2) M12(1.2,-1.2) M13(2,-1.2) M16(4.4,-1.2) M17(5.2,-1.2) M18(6,-1.2) M19(6.8,-1.2) M20(7.6,-1.2) N1(-7.6,-2) N2(-6.8,-2) N3(-6,-2) N4(-5.2,-2) N5(-4.4,-2) N8(-2,-2) N9(-1.2,-2) N10(-0.4,-2) N11(0.4,-2) N12(1.2,-2) N13(2,-2) N16(4.4,-2) N17(5.2,-2) N18(6,-2) N19(6.8,-2) N20(7.6,-2) P1(-7.6,-2.8) P2(-6.8,-2.8) P3(-6,-2.8) P4(-5.2,-2.8) P5(-4.4,-2.8) P16(4.4,-2.8) P17(5.2,-2.8) P18(6,-2.8) P19(6.8,-2.8) P20(7.6,-2.8) R1(-7.6,-3.6) R2(-6.8,-3.6) R3(-6,-3.6) R4(-5.2,-3.6) R5(-4.4,-3.6) R16(4.4,-3.6) R17(5.2,-3.6) R18(6,-3.6) R19(6.8,-3.6) R20(7.6,-3.6) T1(-7.6,-4.4) T2(-6.8,-4.4) T3(-6,-4.4) T4(-5.2,-4.4) T5(-4.4,-4.4) T6(-3.6,-4.4) T7(-2.8,-4.4) T8(-2,-4.4) T9(-1.2,-4.4) T10(-0.4,-4.4) T11(0.4,-4.4) T12(1.2,-4.4) T13(2,-4.4) T14(2.8,-4.4) T15(3.6,-4.4) T16(4.4,-4.4) T17(5.2,-4.4) T18(6,-4.4) T19(6.8,-4.4) T20(7.6,-4.4) U1(-7.6,-5.2) U2(-6.8,-5.2) U3(-6,-5.2) U4(-5.2,-5.2) U5(-4.4,-5.2) U6(-3.6,-5.2) U7(-2.8,-5.2) U8(-2,-5.2) U9(-1.2,-5.2) U10(-0.4,-5.2) U11(0.4,-5.2) U12(1.2,-5.2) U13(2,-5.2) U14(2.8,-5.2) U15(3.6,-5.2) U16(4.4,-5.2) U17(5.2,-5.2) U18(6,-5.2) U19(6.8,-5.2) U20(7.6,-5.2) V1(-7.6,-6) V2(-6.8,-6) V3(-6,-6) V4(-5.2,-6) V5(-4.4,-6) V6(-3.6,-6) V7(-2.8,-6) V8(-2,-6) V9(-1.2,-6) V10(-0.4,-6) V11(0.4,-6) V12(1.2,-6) V13(2,-6) V14(2.8,-6) V15(3.6,-6) V16(4.4,-6) V17(5.2,-6) V18(6,-6) V19(6.8,-6) V20(7.6,-6) W1(-7.6,-6.8) W2(-6.8,-6.8) W3(-6,-6.8) W4(-5.2,-6.8) W5(-4.4,-6.8) W6(-3.6,-6.8) W7(-2.8,-6.8) W8(-2,-6.8) W9(-1.2,-6.8) W10(-0.4,-6.8) W11(0.4,-6.8) W12(1.2,-6.8) W13(2,-6.8) W14(2.8,-6.8) W15(3.6,-6.8) W16(4.4,-6.8) W17(5.2,-6.8) W18(6,-6.8) W19(6.8,-6.8) W20(7.6,-6.8) Y1(-7.6,-7.6) Y2(-6.8,-7.6) Y3(-6,-7.6) Y4(-5.2,-7.6) Y5(-4.4,-7.6) Y6(-3.6,-7.6) Y7(-2.8,-7.6) Y8(-2,-7.6) Y9(-1.2,-7.6) Y10(-0.4,-7.6) Y11(0.4,-7.6) Y12(1.2,-7.6) Y13(2,-7.6) Y14(2.8,-7.6) Y15(3.6,-7.6) Y16(4.4,-7.6) Y17(5.2,-7.6) Y18(6,-7.6) Y19(6.8,-7.6) Y20(7.6,-7.6)
  round 6.502 hole 4.293: NUT1(-21,21) NUT2(21,21) NUT3(-21,-21) NUT4(21,-21) NUT5(-16,16) NUT6(16,16) NUT7(-16,-16) NUT8(16,-16)
